# Altium PCB IPMC_TestBoard_PCB.PcbDoc (part 1 of 3) (continued)
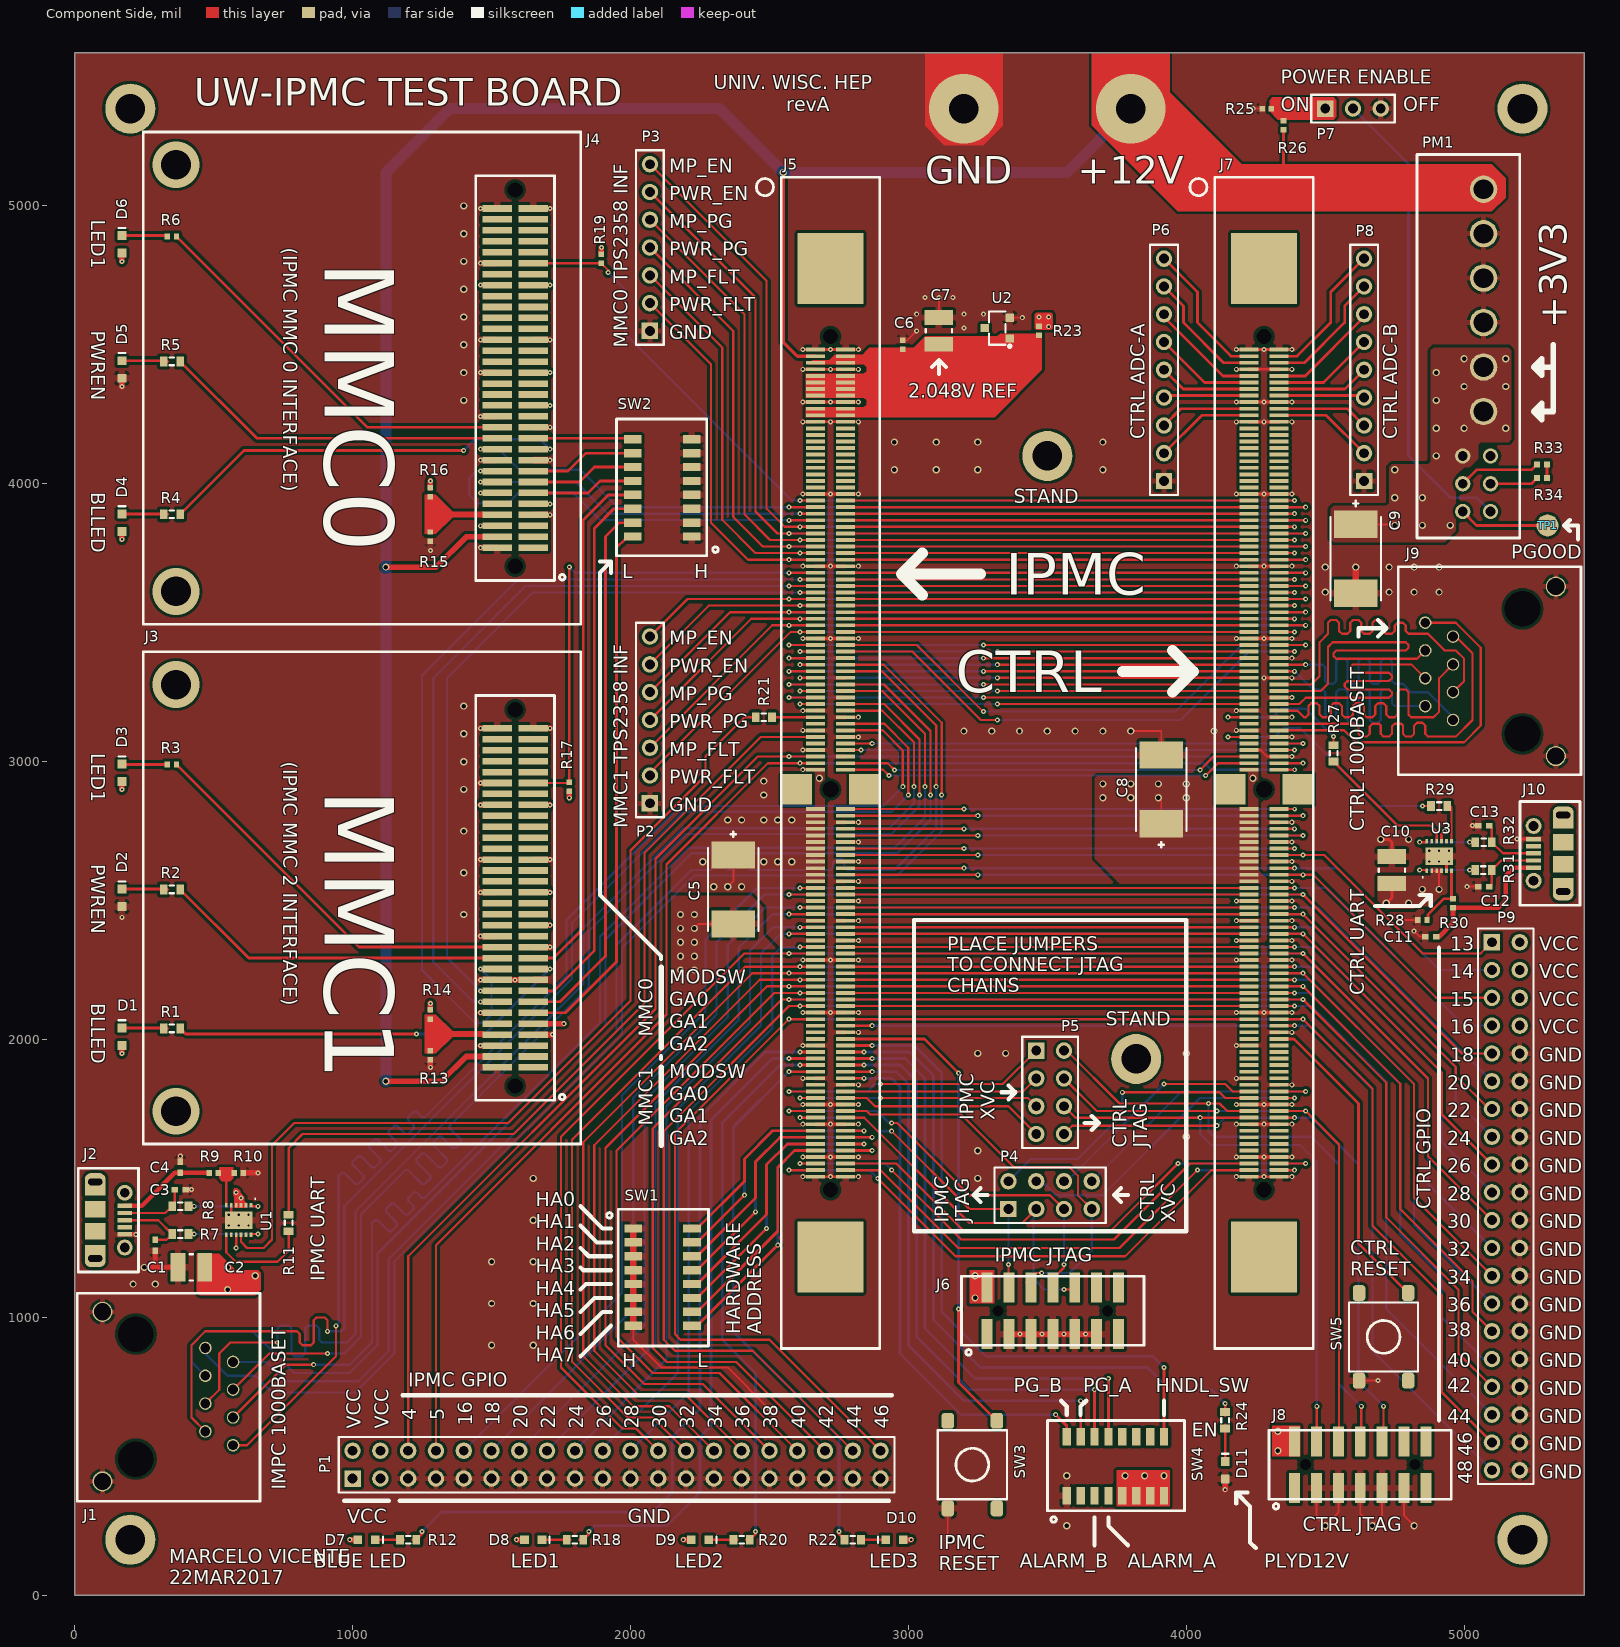
[diagram p0: Component Side view]
## Classes and differential pairs (continued)
net class MMC1: \MMC1_BLLED \MMC1_ENAIN \MMC1_LED1 \MMC1_PS1 MMC1_GA0 MMC1_GA1 MMC1_GA2 MMC1_MODSW MMC1_PWREN MMC1_SCL MMC1_SDA MMC1_SENSE3
net class MMC0: \MMC0_BLLED \MMC0_ENAIN \MMC0_LED1 \MMC0_PS1 MMC0_GA0 MMC0_GA1 MMC0_GA2 MMC0_MODSW MMC0_PWREN MMC0_SCL MMC0_SDA MMC0_SENSE3
component class MMC_Interface: D1 D2 D3 D4 D5 D6 J3 J4 R1 R2 R3 R4 R5 R6 R13 R14 R15 R16 R17 R19 SW2
component class IPMC_UnderTesting: C5 C6 C7 D7 D8 D9 D10 D11 J1 J5 J6 P1 P2 P3 P4 R12 R18 R20 R22 R23 R24 SW1 SW3 SW4 U2
component class IPMC_TestBoard: C8 P7 PM1 R25 R26 R33 R34 TP1
component class IPMC_Control: C9 J7 J8 J9 P5 P6 P8 P9 SW5
net class IPMB: IPMB-B_SCL IPMB-B_SDA
differential pair IPMC_GB_D: +IPMC_GB_D_P -IPMC_GB_D_N
differential pair IPMC_GB_C: +IPMC_GB_C_P -IPMC_GB_C_N
differential pair IPMC_GB_B: +IPMC_GB_B_P -IPMC_GB_B_N
differential pair IPMC_GB_A: +IPMC_GB_A_P -IPMC_GB_A_N
differential pair CTRL_GB_D: +CTRL_GB_D_P -CTRL_GB_D_N
differential pair CTRL_GB_C: +CTRL_GB_C_P -CTRL_GB_C_N
differential pair CTRL_GB_B: +CTRL_GB_B_P -CTRL_GB_B_N
differential pair CTRL_GB_A: +CTRL_GB_A_P -CTRL_GB_A_N

## Components (designator, comment, footprint, x,y, rotation, side; value= is the part's Value field where it differs from the comment)
C1 "?" C0402 290,1260 r90 top value=47pF
C2 "?" C1210_IPC_H 420,1180 r0 top value=100uF (schematic designator C701)
C3 "?" C0402 380,1460 r180 top value=47pF (schematic designator C2)
C4 "?" C0402 380,1540 r270 top value=47pF (schematic designator C3)
C5 "?" VISH-293D-7343-31_V 2370,2540 r270 top value=150uF
C6 "?" C0402_IPC_H 2980,4500 r270 top value=47nF
C7 "?" C1210_IPC_H 3110,4550 r270 top value=100uF
C8 "?" VISH-293D-7343-31_V 3910,2900 r90 top value=150uF
C9 "?" VISH-293D-7343-31_V 4610,3730 r270 top value=150uF
C10 "?" C1210_IPC_H 4740,2610 r270 top value=100uF (schematic designator C702)
C11 "?" C0402 4880,2370 r0 top value=47pF
C12 "?" C0402 5070,2550 r0 top value=47pF
C13 "?" C0402 5070,2770 r0 top value=47pF
D1 "BLUE" LED0603_M 170,2010 r270 top
D2 "GREEN" LED0603_M 170,2510 r270 top
D3 "OPEN" LED0603_M 170,2960 r270 top
D4 "BLUE" LED0603_M 170,3860 r270 top
D5 "GREEN" LED0603_M 170,4411.5 r270 top
D6 "OPEN" LED0603_M 170,4861.5 r270 top
D7 "BLUE" LED0603_M 1050,200 r180 top
D8 "BLUE" LED0603_M 1650,200 r180 top
D9 "BLUE" LED0603_M 2250,200 r180 top
D10 "BLUE" LED0603_M 2950,200 r0 top
D11 "GREEN" LED0603_M 4140,450 r270 top
J1 "Ethernet Jack" 43202-8916 470,890 r270 top locked
J2 "MOLEX105017-0001" MOLEX105017-0001 180,1350 r270 top locked
J3 "MMC" 5120527-1 1584.96,2568.82 r90 top locked
J4 "MMC" 5120527-1 1584.96,4439.29 r90 top locked
J5 "IPMC" 87782-3007 2720,2900 r270 top locked
J6 "IPMI JTAG" 87832-1420 3283.78,1023.86 r0 top
J7 "CTRL" 87782-3007 4280,2900 r270 top
J8 "CTRL JTAG" 87832-1420 4390,470 r0 top
J9 "CTRL ETH" 43202-8916 4960,3150 r90 top
J10 "MOLEX105017-0001" MOLEX105017-0001 5250,2670 r90 top
P1 "Header 20X2" HEADER2X20 1000,420 r0 top
P2 "MMC1 CTRL" HEADER1X7 2070,2850 r90 top
P3 "MMC0 CTRL" HEADER1X7 2070,4550 r90 top
P4 "JTAG Connect" HEADER2X4 3360,1390 r0 top
P5 "IPMC XVC to CTRL JTAG" HEADER2X4 3460,1960 r270 top
P6 "CTRL ADC-A" HEADER1X9 3920,4010 r90 top
P7 "PWREN" HEADER1X3 4500,5350 r0 top
P8 "CTRL ADC-B" HEADER1X9 4640,4010 r90 top
P9 "CTRL GPIO" HEADER2X20 5100,2350 r270 top
PM1 "UWLVPWRMODV2-PAR" UWLVPWRMODV2 4830,3805 r0 top
R1 "?" R0603 350,2040 r180 top value=681
R2 "?" R0603 350,2540 r180 top value=681
R3 "?" R0402_IPC_H 350,2990 r180 top value=OPEN
R4 "?" R0603 350,3890 r180 top value=681
R5 "?" R0603 350,4440 r180 top value=681
R6 "?" R0402_IPC_H 350,4890 r180 top value=OPEN
R7 "?" R0603 380,1300 r0 top value=27
R8 "?" R0603 380,1400 r0 top value=27
R9 "?" R0402_IPC_H 500,1520 r0 top value=4.7K
R10 "?" R0402_IPC_H 590,1520 r180 top value=10k
R11 "?" R0603 770,1340 r90 top value=100
R12 "?" R0603 1200,200 r180 top value=681
R13 "?" R0402_IPC_H 1280,1943.66 r90 top value=OPEN
R14 "?" R0402_IPC_H 1280,2090 r90 top value=OPEN
R15 "?" R0402_IPC_H 1280,3810 r90 top value=OPEN
R16 "?" R0402_IPC_H 1280,3970 r90 top value=OPEN
R17 "?" R0402_IPC_H 1780,2910 r270 top value=10k
R18 "?" R0603 1800,200 r180 top value=681
R19 "?" R0402_IPC_H 1895.27,4809.17 r90 top value=10k
R20 "?" R0603 2400,200 r180 top value=681
R21 "?" R0603 2480,3159.84 r0 top value=100
R22 "?" R0603 2800,200 r0 top value=681
R23 "?" R0402_IPC_H 3470,4550 r90 top value=332
R24 "?" R0603 4140,630 r270 top value=681
R25 "?" R0402_IPC_H 4290,5350 r0 top value=10k
R26 "?" R0402_IPC_H 4350,5290 r270 top value=10k
R27 "?" R0603 4530,3030 r90 top value=100
R28 "?" R0402_IPC_H 4850,2430 r0 top value=10k
R29 "?" R0603 4910,2840 r180 top value=100
R30 "?" R0402_IPC_H 4960,2490 r90 top value=4.7K
R31 "?" R0603 5069.53,2610 r180 top value=27
R32 "?" R0603 5070,2710 r180 top value=27
R33 "?" R0402 5280,4070 r180 top value=4.53k
R34 "?" R0402 5280,4020 r0 top value=26.1
SW1 "SW-DIP-8" TDA08H0 2221.42,1320 r270 top
SW2 "SW-DIP-8" TDA08H0 2008.58,3810 r90 top
SW3 "DTSM-61NT/R" DIPT-DTSM-6_V 3230,470 r90 top
SW4 "SW-DIP-8" TDA08H0 3570,570 r0 top
SW5 "DTSM-61NT/R" DIPT-DTSM-6_V 4710,930 r90 top
TP1 "TP" TP 5300,3850 r0 top
U1 "FT234XD-T" DFN-12_V 590,1350 r270 top
U2 "ADR5040" SOT23-H 3320,4560 r180 top
U3 "FT234XD-T" DFN-12_V 4910,2660 r90 top

## Footprints (in the part's own frame and the unit in brackets; to place one, negate y for a bottom-side part, rotate by r counter-clockwise, add the part's x,y. Pads: shape width x height; smd on the part's side, far side on the other; paste and mask are expansions set on the pad)
43202-8916 [mil] "Molex 43202-8916"
  round 45 hole 35.43: 1(0,0) 2(50,100) 3(100,0) 4(150,100) 5(200,0) 6(250,100) 7(300,0) 8(350,100)
  round 72 hole 62: 9(-130,-370) 10(480,-370)
  round 0 hole 128 unplated: ""(-50,-250) ""(400,-250)
  silkscreen extent -197,-461 551,197, body extent -148,-571 496,163, height 476
87782-3007 [mm] "Molex 87782-3009"
  rect 0.35x1.75 smd: 1(-40.2,-1.38) 2(-39.6,-1.38) 3(-39,-1.38) 4(-38.4,-1.38) 5(-37.8,-1.38) 6(-37.2,-1.38) 7(-36.6,-1.38) 8(-36,-1.38) 9(-35.4,-1.38) 10(-34.8,-1.38) 11(-34.2,-1.38) 12(-33.6,-1.38) 13(-33,-1.38) 14(-32.4,-1.38) 15(-31.8,-1.38) 16(-31.2,-1.38) 17(-30.6,-1.38) 18(-30,-1.38) 19(-29.4,-1.38) 20(-28.8,-1.38) 21(-28.2,-1.38) 22(-27.6,-1.38) 23(-27,-1.38) 24(-26.4,-1.38) 25(-25.8,-1.38) 26(-25.2,-1.38) 27(-24.6,-1.38) 28(-24,-1.38) 29(-23.4,-1.38) 30(-22.8,-1.38) 31(-22.2,-1.38) 32(-21.6,-1.38) 33(-21,-1.38) 34(-20.4,-1.38) 35(-19.8,-1.38) 36(-19.2,-1.38) 37(-18.6,-1.38) 38(-18,-1.38) 39(-17.4,-1.38) 40(-16.8,-1.38) 41(-16.2,-1.38) 42(-15.6,-1.38) 43(-15,-1.38) 44(-14.4,-1.38) 45(-13.8,-1.38) 46(-13.2,-1.38) 47(-12.6,-1.38) 48(-12,-1.38) 49(-11.4,-1.38) 50(-10.8,-1.38) 51(-10.2,-1.38) 52(-9.6,-1.38) 53(-9,-1.38) 54(-8.4,-1.38) 55(-7.8,-1.38) 56(-7.2,-1.38) 57(-6.6,-1.38) 58(-6,-1.38) 59(-5.4,-1.38) 60(-4.8,-1.38) 61(-4.2,-1.38) 62(-3.6,-1.38) 63(-3,-1.38) 64(-2.4,-1.38) 65(-1.8,-1.38) 66(1.8,-1.38) 67(2.4,-1.38) 68(3,-1.38) 69(3.6,-1.38) 70(4.2,-1.38) 71(4.8,-1.38) 72(5.4,-1.38) 73(6,-1.38) 74(6.6,-1.38) 75(7.2,-1.38) 76(7.8,-1.38) 77(8.4,-1.38) 78(9,-1.38) 79(9.6,-1.38) 80(10.2,-1.38) 81(10.8,-1.38) 82(11.4,-1.38) 83(12,-1.38) 84(12.6,-1.38) 85(13.2,-1.38) 86(13.8,-1.38) 87(14.4,-1.38) 88(15,-1.38) 89(15.6,-1.38) 90(16.2,-1.38) 91(16.8,-1.38) 92(17.4,-1.38) 93(18,-1.38) 94(18.6,-1.38) 95(19.2,-1.38) 96(19.8,-1.38) 97(20.4,-1.38) 98(21,-1.38) 99(21.6,-1.38) 100(22.2,-1.38) 101(22.8,-1.38) 102(23.4,-1.38) 103(24,-1.38) 104(24.6,-1.38) 105(25.2,-1.38) 106(25.8,-1.38) 107(26.4,-1.38) 108(27,-1.38) 109(27.6,-1.38) 110(28.2,-1.38) 111(28.8,-1.38) 112(29.4,-1.38) 113(30,-1.38) 114(30.6,-1.38) 115(31.2,-1.38) 116(31.8,-1.38) 117(32.4,-1.38) 118(33,-1.38) 119(33.6,-1.38) 120(34.2,-1.38) 121(34.8,-1.38) 122(35.4,-1.38) 123(-40.2,1.38) 124(-39.6,1.38) 125(-39,1.38) 126(-38.4,1.38) 127(-37.8,1.38) 128(-37.2,1.38) 129(-36.6,1.38) 130(-36,1.38) 131(-35.4,1.38) 132(-34.8,1.38) 133(-34.2,1.38) 134(-33.6,1.38) 135(-33,1.38) 136(-32.4,1.38) 137(-31.8,1.38) 138(-31.2,1.38) 139(-30.6,1.38) 140(-30,1.38) 141(-29.4,1.38) 142(-28.8,1.38) 143(-28.2,1.38) 144(-27.6,1.38) 145(-27,1.38) 146(-26.4,1.38) 147(-25.8,1.38) 148(-25.2,1.38) 149(-24.6,1.38) 150(-24,1.38) 151(-23.4,1.38) 152(-22.8,1.38) 153(-22.2,1.38) 154(-21.6,1.38) 155(-21,1.38) 156(-20.4,1.38) 157(-19.8,1.38) 158(-19.2,1.38) 159(-18.6,1.38) 160(-18,1.38) 161(-17.4,1.38) 162(-16.8,1.38) 163(-16.2,1.38) 164(-15.6,1.38) 165(-15,1.38) 166(-14.4,1.38) 167(-13.8,1.38) 168(-13.2,1.38) 169(-12.6,1.38) 170(-12,1.38) 171(-11.4,1.38) 172(-10.8,1.38) 173(-10.2,1.38) 174(-9.6,1.38) 175(-9,1.38) 176(-8.4,1.38) 177(-7.8,1.38) 178(-7.2,1.38) 179(-6.6,1.38) 180(-6,1.38) 181(-5.4,1.38) 182(-4.8,1.38) 183(-4.2,1.38) 184(-3.6,1.38) 185(-3,1.38) 186(-2.4,1.38) 187(-1.8,1.38) 188(1.8,1.38) 189(2.4,1.38) 190(3,1.38) 191(3.6,1.38) 192(4.2,1.38) 193(4.8,1.38) 194(5.4,1.38) 195(6,1.38) 196(6.6,1.38) 197(7.2,1.38) 198(7.8,1.38) 199(8.4,1.38) 200(9,1.38) 201(9.6,1.38) 202(10.2,1.38) 203(10.8,1.38) 204(11.4,1.38) 205(12,1.38) 206(12.6,1.38) 207(13.2,1.38) 208(13.8,1.38) 209(14.4,1.38) 210(15,1.38) 211(15.6,1.38) 212(16.2,1.38) 213(16.8,1.38) 214(17.4,1.38) 215(18,1.38) 216(18.6,1.38) 217(19.2,1.38) 218(19.8,1.38) 219(20.4,1.38) 220(21,1.38) 221(21.6,1.38) 222(22.2,1.38) 223(22.8,1.38) 224(23.4,1.38) 225(24,1.38) 226(24.6,1.38) 227(25.2,1.38) 228(25.8,1.38) 229(26.4,1.38) 230(27,1.38) 231(27.6,1.38) 232(28.2,1.38) 233(28.8,1.38) 234(29.4,1.38) 235(30,1.38) 236(30.6,1.38) 237(31.2,1.38) 238(31.8,1.38) 239(32.4,1.38) 240(33,1.38) 241(33.6,1.38) 242(34.2,1.38) 243(34.8,1.38) 244(35.4,1.38)
  rect 6.5x6 smd: ""(-47.6,0) ""(42.75,0)
  round 1 hole 1.4 unplated: ""(-41.4,0) ""(36.6,0)
  rect 2.8x2.77 smd: ""(0,3.08) ""(0,-3.08)
  round 1 hole 1.5 unplated: ""(0,0)
  silkscreen extent -55.95,-6.78 51.1,4.5, body extent -50.4,-3.9 45.6,4, height 16.54
87832-1420 [mm] "Molex 87832-1420"
  rect 1x2.75 smd: 1(0,-2.13) 2(0,2.13) 3(2,-2.13) 4(2,2.13) 5(4,-2.13) 6(4,2.13) 7(6,-2.13) 8(6,2.13) 9(8,-2.13) 10(8,2.13) 11(10,-2.13) 12(10,2.13) 13(12,-2.13) 14(12,2.13)
  round 0 hole 1 unplated: ""(1,0) ""(11,0)
  silkscreen extent -2.35,-4.05 14.33,3.15, body extent -2.32,-3.15 14.33,3.15, height 7.6
5120527-1 [mm] "TE 5120527-1"
  rect 0.6x2.7 smd: 1(-17,-1.65) 2(-17,1.65) 3(-16,-1.65) 4(-16,1.65) 5(-15,-1.65) 6(-15,1.65) 7(-14,-1.65) 8(-14,1.65) 9(-13,-1.65) 10(-13,1.65) 11(-12,-1.65) 12(-12,1.65) 13(-11,-1.65) 14(-11,1.65) 15(-10,-1.65) 16(-10,1.65) 17(-9,-1.65) 18(-9,1.65) 19(-8,-1.65) 20(-8,1.65) 21(-7,-1.65) 22(-7,1.65) 23(-6,-1.65) 24(-6,1.65) 25(-5,-1.65) 26(-5,1.65) 27(-4,-1.65) 28(-4,1.65) 29(-3,-1.65) 30(-3,1.65) 31(-2,-1.65) 32(-2,1.65) 33(-1,-1.65) 34(-1,1.65) 35(0,-1.65) 36(0,1.65) 37(1,-1.65) 38(1,1.65) 39(2,-1.65) 40(2,1.65) 41(3,-1.65) 42(3,1.65) 43(4,-1.65) 44(4,1.65) 45(5,-1.65) 46(5,1.65) 47(6,-1.65) 48(6,1.65) 49(7,-1.65) 50(7,1.65) 51(8,-1.65) 52(8,1.65) 53(9,-1.65) 54(9,1.65) 55(10,-1.65) 56(10,1.65) 57(11,-1.65) 58(11,1.65) 59(12,-1.65) 60(12,1.65) 61(13,-1.65) 62(13,1.65) 63(14,-1.65) 64(14,1.65)
  rect 0x0 hole 1.4 unplated: ""(-18.7,0) ""(15.7,0)
  silkscreen extent -24,-6 21,34, body extent -19.45,-3.02 16.45,3.03, height 8.4
C0402 [mm] "Chip Capacitor, Body 1.0x0.5mm, IPC High Density"
  rect 0.6x0.5 smd: 1(-0.5,0) 2(0.5,0)
  body extent -0.55,-0.3 0.55,0.3, height 1.3
C0402_IPC_H [mm] "Chip Capacitor, 2-Leads, Body 1.00x0.50mm, IPC High Density"
  rect 0.5x0.52 smd: 1(-0.415,0) 2(0.415,0)
  body extent -0.53,-0.28 0.53,0.28, height 0.55
C1210_IPC_H [mm] "Chip Capacitor, 2-Leads, Body 3.20x2.50mm, IPC High Density"
  rect 1.35x2.6 smd: 1(-1.225,0) 2(1.225,0)
  silkscreen extent -0.15,-1.2 0.15,1.2, body extent -1.75,-1.35 1.75,1.35, height 2.7
DFN-12_V [mm] "SON, 12-Leads, Body 3x3mm, Pitch 0.45mm, Thermal Pad 2.5x1.6mm"
  rect 0.4x0.25 smd: 1(-1.35,1.125) 2(-1.35,0.675) 3(-1.35,0.225) 4(-1.35,-0.225) 5(-1.35,-0.675) 6(-1.35,-1.125) 7(1.35,-1.125) 8(1.35,-0.675) 9(1.35,-0.225) 10(1.35,0.225) 11(1.35,0.675) 12(1.35,1.125)
  rect 1.6x2.5 smd mask+0.102: 13(0,0)
  silkscreen extent -2,1.45 -1.9,1.55, body extent -1.5,-1.5 1.5,1.5, height 0.9
DIPT-DTSM-6_V [mil] "Switch, Through-Hole, 4 Leads, Body 8.5x8.5mm, Row Spacing 9.0mm, Pitch 4.5mm"
  rrect50% 57x45 smd: 1(157.87,-88.58) 2(-157.48,-88.58) 3(157.87,88.19) 4(-157.48,88.19)
  silkscreen extent -124,-124 124,124, body extent -177,-122 177,122, height 177
HEADER1X3 [mm] "Pin Header; 3 Position"
  rect 1.5x1.5 hole 0.9: 1(0,0)
  round 1.5 hole 0.9: 2(2.54,0) 3(5.08,0)
  silkscreen extent -1.27,-1.27 6.35,1.27
HEADER1X7 [mm] "Pin Header; 7 Position"
  rect 1.5x1.5 hole 0.9: 1(0,0)
  round 1.5 hole 0.9: 2(2.54,0) 3(5.08,0) 4(7.62,0) 5(10.16,0) 6(12.7,0) 7(15.24,0)
  silkscreen extent -1.27,-1.27 16.51,1.27
HEADER1X9 [mm] "Pin Header; 9 Position"
  rect 1.5x1.5 hole 0.9: 1(0,0)
  round 1.5 hole 0.9: 2(2.54,0) 3(5.08,0) 4(7.62,0) 5(10.16,0) 6(12.7,0) 7(15.24,0) 8(17.78,0) 9(20.32,0)
  silkscreen extent -1.27,-1.27 21.59,1.27
HEADER2X4 [mm] "Pin Header; 4x2 Position"
  rect 1.5x1.5 hole 0.9: 1(0,0)
  round 1.5 hole 0.9: 2(0,2.54) 3(2.54,0) 4(2.54,2.54) 5(5.08,0) 6(5.08,2.54) 7(7.62,0) 8(7.62,2.54)
  silkscreen extent -1.27,-1.27 8.89,3.81
HEADER2X20 [mm] "Pin Header; 20x2 Position"
  rect 1.5x1.5 hole 0.9: 1(0,0)
  round 1.5 hole 0.9: 2(0,2.54) 3(2.54,0) 4(2.54,2.54) 5(5.08,0) 6(5.08,2.54) 7(7.62,0) 8(7.62,2.54) 9(10.16,0) 10(10.16,2.54) 11(12.7,0) 12(12.7,2.54) 13(15.24,0) 14(15.24,2.54) 15(17.78,0) 16(17.78,2.54) 17(20.32,0) 18(20.32,2.54) 19(22.86,0) 20(22.86,2.54) 21(25.4,0) 22(25.4,2.54) 23(27.94,0) 24(27.94,2.54) 25(30.48,0) 26(30.48,2.54) 27(33.02,0) 28(33.02,2.54) 29(35.56,0) 30(35.56,2.54) 31(38.1,0) 32(38.1,2.54) 33(40.64,0) 34(40.64,2.54) 35(43.18,0) 36(43.18,2.54) 37(45.72,0) 38(45.72,2.54) 39(48.26,0) 40(48.26,2.54)
  silkscreen extent -1.27,-1.27 49.53,3.81
LED0603_M [mm] "Chip LED, 2-Leads, Body 1.6x0.8mm, IPC Medium Density"
  rect 0.8x0.8 smd: 1(-0.8,0) 2(0.8,0)
  silkscreen extent -1.5,-0.3 -1.5,0.3, body extent -0.8,-0.4 0.8,0.4, height 0.7
MOLEX105017-0001 [mm] "Connector; Micro USB Bottom Mount Receptable, B Type"
  rect 0.4x1.35 smd: 1(-1.3,0) 2(-0.65,0) 3(0,0) 4(0.65,0) 5(1.3,0)
  rrect70% 1.6x1.9 hole 0.6 slot 1.3 at 90 deg: ""(-3.5,-2.7) ""(3.5,-2.7)
  rect 1.2x1.9 smd: ""(-2.85,-2.7) ""(2.85,-2.7)
  round 1.45 hole 0.9: ""(-2.5,0) ""(2.5,0)
  rect 1.5x1.9 smd: ""(-1,-2.7) ""(1,-2.7)
  silkscreen extent -4.75,-4.25 4.75,1.25, body extent -4.1,-5.3 4.1,0.1, height 2.73
R0402 [mm] "Chip Resistor, 2-Leads, Body 1.00x0.50mm, IPC Medium Density"
  rect 0.55x0.55 smd: 1(-0.45,0) 2(0.45,0)
  body extent -0.53,-0.27 0.53,0.28, height 0.35
R0402_IPC_H [mm] "Chip Resistor, 2-Leads, Body 1.00x0.50mm, IPC High Density"
  rect 0.5x0.52 smd: 1(-0.415,0) 2(0.415,0)
  body extent -0.53,-0.28 0.53,0.28, height 0.4
R0603 [mm] "Chip Resistor, Body 1.6x0.8mm, IPC High Density"
  rect 0.7x0.9 smd: 1(-0.75,0) 2(0.75,0)
  silkscreen extent -0.2,-0.35 0.2,0.35, body extent -0.85,-0.48 0.85,0.48, height 0.9
SOT23-H [mm] "SOT23, 3-Leads, Body 2.90x2.45mm, Pitch 0.95mm, IPC High Density"
  rect 0.75x0.75 smd: 1(-1.145,0.95) 2(-1.145,-0.95) 3(1.145,0)
  silkscreen extent -1.27,-1.52 0.76,1.78, body extent -0.7,-1.5 0.7,1.5, height 1.1
TDA08H0 [mm] "C&K TDA08H0"
  rect 0.76x1.6 smd: 1(0,-5.37) 2(1.27,-5.37) 3(2.54,-5.37) 4(3.81,-5.37) 5(5.08,-5.37) 6(6.35,-5.37) 7(7.62,-5.37) 8(8.89,-5.37) 9(8.89,0) 10(7.62,0) 11(6.35,0) 12(5.08,0) 13(3.81,0) 14(2.54,0) 15(1.27,0) 16(0,0)
  silkscreen extent -1.75,-7.8 10.75,1.5, body extent -1.15,-5.9 10.15,0.45, height 2.45
TP [mm] "Test Point"
  round 2 smd paste-10: 1(0,0)
UWLVPWRMODV2 [mm] "UW Low-voltage Power Module V2"
  round 1.4 hole 0.9: 1(4.191,2.413) 2(6.731,2.413) 3(4.191,4.953) 4(6.731,4.953) 5(4.191,7.493) 6(6.731,7.493)
  round 2.5 hole 1.8: 7(6.096,11.557) 8(6.096,15.621) 9(6.096,19.685) 10(6.096,23.749) 11(6.096,27.813) 12(6.096,31.877)
  silkscreen extent 0,0 9.4,35.05, body extent 1,1 7.8,34, height 17
VISH-293D-7343-31_V [mm] "Molded Capacitor, 2-Leads, Body 7.6x4.6mm"
  rect 2.5x4 smd: 1(-3.15,0) 2(3.15,0)
  silkscreen extent -5.3,-2.3 3.8,2.3, body extent -4.02,-2.3 4.02,2.3, height 3.1

## Part data
C1 C3 C4 C11 C12 C13: library part "Cap Semi", "Capacitor (Semiconductor SIM Model)", Mfg. Part No.=CC0402JRNPO9BN470, Rating=50V, INVKEY=CP0402-47PF-50V-5%, Mfgr=Yageo
C2 C7 C10: library part Cap, "Capacitor", Mfg. Part No.=GRM32ER60J107ME20L, Rating=6.3V, INVKEY=CP1210-100UF-6.3V-20%, Mfgr=Murata
C5 C8 C9: library part "Cap Pol3", "Polarized Capacitor (Surface Mount)", Mfg. Part No.=A700X157M006ATE015, Rating=6.3V, INVKEY=CP7343-150uF-6.3V-ESR15-20%, Mfgr=Kemet
C6: library part Cap, "Capacitor", Mfg. Part No.=ECJ-0EB1A473K, Rating=10V, INVKEY=CP0402-47NF-10V-10%, Mfgr=Panasonic-ECJ
D1 D4 D7 D8 D9 D10: library part LED, "Light Emitting Diode", Mfg. Part No.=LTST-S270TBKT, INVKEY=LED-BL-RA-0603, Mfgr=Lite-On
D2 D5 D11: library part LED, "Light Emitting Diode", Mfg. Part No.=LTST-S270KGKT, INVKEY=LED-GRN-RA-UB-0603, Mfgr=Lite-On
D3 D6: library part LED, "Light Emitting Diode", Mfg. Part No.=NA, INVKEY=?, Mfgr=NA, Note="Do not assemble"
J1: "RJ45 Ethernet Jack", Mfg. Part No.=43202-8916, INVKEY=CO-43202-8916, Mfgr=Molex
J2 J10: "Micro USB Bottom Mount Receptable, B Type", Mfg. Part No.=105017-0001, INVKEY=CO-USB-MICRO-SOLDERTAIL, Mfgr=Molex
J3 J4: "TE 5120527-1", Mfg. Part No.=5120527-1, INVKEY=CO-PMC64-120527-1, Mfgr="TE Connectivity"
J5: "Molex 87782-3007", Mfg. Part No.=87782-3007, INVKEY=?, Mfgr=Molex, Note="Compatible with Molex 87782-3003, 87782-3005, 87782-3007 and 87782-3009"
J6 J8: library part "Xilinx JTAG Header", "Molex 87832-1420", Mfg. Part No.=87832-1420, INVKEY=CO-PIN-HDR-2X7SS-2MM, Mfgr=Molex
J7: library part IPMC, "Molex 87782-3007", Mfg. Part No.=87782-3007, INVKEY=?, Mfgr=Molex, Note="Compatible with Molex 87782-3003, 87782-3005, 87782-3007 and 87782-3009"
J9: library part "Ethernet Jack", "RJ45 Ethernet Jack", Mfg. Part No.=43202-8916, INVKEY=CO-43202-8916, Mfgr=Molex
P1: "Header, 20-Pin, Dual row", Mfg. Part No.=?, INVKEY=?, Mfgr=?, Note="Do not assemble"
P2 P3: library part "Header 7", "Header, 7-Pin", Mfg. Part No.=?, INVKEY=?, Mfgr=?, Note="Do not assemble"
P4 P5: library part "Header 4X2", "Header, 4-Pin, Dual row", Mfg. Part No.=?, INVKEY=?, Mfgr=?
P6 P8: library part "Header 9", "Header, 9-Pin", Mfg. Part No.=?, INVKEY=?, Mfgr=?, Note="Do not assemble"
P7: library part "Header 3", "Header, 3-Pin", Mfg. Part No.=?, INVKEY=?, Mfgr=?
P9: library part "Header 20X2", "Header, 20-Pin, Dual row", Mfg. Part No.=?, INVKEY=?, Mfgr=?, Note="Do not assemble"
PM1: "UW Low-voltage Power Module V2", Mfg. Part No.=UWLVPWRMODV2, INVKEY=?, Mfgr="University of Wisconsin", Note="Refurbish from oRSCs"
R1 R2 R4 R5 R12 R18 R20 R22 R24: library part Res, "Resistor", Mfg. Part No.=RC0603FR-07681RL, Tolerance=1%, INVKEY=RS0603-681R-1/10W-1%, Mfgr=Yageo
R3 R6 R13 R14 R15 R16: library part Res, "Resistor", Mfg. Part No.=NA, Tolerance=1%, INVKEY=RS0402-OPEN-1/10W, Mfgr=NA, Note="Do not assemble"
R7 R8 R31 R32: library part Res3, "Resistor", INVKEY=?, Mfg. Part No.=?, Mfgr=?
R9 R30: library part Res, "Resistor", Mfg. Part No.=ERJ-2GEJ472X, Tolerance=5%, INVKEY=RS0402-4K7-1/10W-5%, Mfgr=Panasonic-ECG
R10 R17 R19 R25 R26 R28: library part Res, "Resistor", Mfg. Part No.=ERJ-2GEJ103X, Tolerance=5%, INVKEY=RS0402-10K-1/10W-5%, Mfgr=Panasonic-ECG
R11 R21 R27 R29: library part Res3, "Resistor", Mfg. Part No.=RC0603FR-07100RL, INVKEY=RS0603-100R-1/10W-1%, Mfgr=Yageo
R23: library part Res, "Resistor", Tolerance=1%, INVKEY=?, Mfg. Part No.=?, Mfgr=?
R33: library part Res, "Resistor", Mfg. Part No.=ERA-2AEB4531X, Tolerance=0.1%, INVKEY=RS0402-4K53-1/16W-PREC, Mfgr=Panasonic-ECG
R34: library part Res, "Resistor", Mfg. Part No.=ERJ-2RKF26R1X, Tolerance=1%, INVKEY=RS0402-26R1-1/10W-1%, Mfgr=Panasonic-ECG
SW1 SW2 SW4: "C&K TDA08H0SB1R", Mfg. Part No.=TDA08HOSB1, INVKEY=SW-DIP-8X-SMD, Mfgr=C&K
SW3 SW5: library part CMP-0306-00001-1, "Switch, SPNO Push Button SMD", Mfg. Part No.=?, INVKEY=?, Mfgr=?
TP1: "Test Point", Mfg. Part No.=NA, INVKEY=NA, Mfgr=NA, Note="Not a part"
U1 U3: library part CMP-0248-00028-1, "FT234XD USB to BASIC UART IC, -40 to +85 degC, 12-Pin DFN, Pb-Free, Tray", Mfg. Part No.=?, INVKEY=?, Mfgr=?
U2: "Precision Micropower Shunt Mode", Mfg. Part No.=ADR5040ARTZ, INVKEY=VREF-ADR5040A-SOT23, Mfgr="Analog Devices"

## Free pads (board coordinates)
  round 180 hole 106.3: ""(200,200) ""(200,5350) ""(3500,4100) ""(3820,1930) ""(5210,200) ""(5210,5350)

## Via types
v1: diameter 18, hole 8, Component Side to Solder Side, tented both sides, 426 vias
v2: diameter 26, hole 16, Component Side to Solder Side, tented both sides, 132 vias
v3: diameter 18, hole 8, Component Side to Solder Side, 12 vias
v4: diameter 168, hole 106.3, Component Side to Solder Side, 4 vias
v5: diameter 17, hole 8, Component Side to Solder Side, tented both sides, 4 vias
v6: diameter 250, hole 106.3, Component Side to Solder Side, 2 vias

## Nets (pads, with @x,y where several pads share a name; then routed paths per layer and width w, separated by ;. In a path a pad name is that pad's centre, name@x,y a point inside that pad or via, vN(x,y) a via of type N, cw(c..) or ccw(c..) an arc to the next point about the centre after c; other vN are vias at no path point)
+12V: J3.4 J4.4 J5.2 PM1.12 R26.2 | length 8017.3
  Component Side w10: 4333.66,5126.34 4340,5120 ; 4350,5130 R26.2@4350,5273.66
  Component Side w12: v2(2550,5120) 2550,4510 2600.94,4459.06 J5.2@2665.67,4459.06
  Component Side w20: v2(1120,1850) 1320,1850 1408.9,1938.9 J3.4@1520,1938.9 ; v2(1120,3700) 1300,3700 1409.37,3809.37 J4.4@1520,3809.37
  Solder Side w40: v2(1120,1850) v2(1120,3700) 1120,5120 1350,5350 2320,5350 v2(2550,5120) 3570,5120 v6(3800,5350)
\CTRL_EXT_RST: J7.223 SW5.1 | length 1138
  Component Side w10: J7.223@4334.33,2002.36 4387.64,2002.36 4620,1770 4620,1266.46 SW5.1@4798.58,1087.87
\ENABLE_1: J5.147 J7.25 | length 1451.3
  Component Side w8: J5.147@2774.33,3915.75 J7.25@4225.67,3915.75
\ENABLE_3: J5.158 J7.36 | length 1451.3
  Component Side w8: J5.158@2774.33,3655.91 J7.36@4225.67,3655.91
\ENABLE_4: J5.47 J7.47 | length 1671.3
  Component Side w8: v1(2610,3396.06) J5.47@2665.67,3396.06 ; v1(3320,3396.06) J7.47@4225.67,3396.06
  Solder Side w8: v1(2610,3396.06) v1(3320,3396.06)
\IPMC_EXT_RST: J5.223 SW3.1 | length 1765.9
  Component Side w10: J5.223@2774.33,2002.36 3057.64,2002.36 v1(3180,1880) ; v1(3180,1030) 3180,766.46 SW3.1@3318.58,627.87
  Solder Side w10: v1(3180,1030) v1(3180,1880)
\MMC0_BLLED: J4.19 R4.1 | length 1457.1
  Component Side w10: R4.1@379.53,3890 609.53,4120 v1(1400,4120)
  Solder Side w10: v1(1400,4120) 1440,4160 1674.33,4160 v1(1710,4124.33)
\MMC0_ENAIN: J4.20 J5.25 J7.147 | length 3247.7
  Component Side w8: v1(2570,3915.75) J5.25@2665.67,3915.75 ; J7.147@4334.33,3915.75 v1(4430,3915.75)
  Solder Side w8: v1(1460,4124.33) 1525.67,4124.33 1600,4050 1820,4050 1954.25,3915.75 v1(2570,3915.75) v1(4430,3915.75)
\MMC0_LED1: J4.24 R6.1 | length 1438.2
  Component Side w10: R6.1@366.34,4890 1053.27,4203.07 J4.24@1520,4203.07
\MMC0_PS1: J4.53 J5.24 J7.146 R19.1 | length 3303.4
  Component Side w8: J4.53@1649.92,4793.62 R19.1@1895.27,4793.62 ; R19.1@1895.27,4792.84 1920,4768.11 v1(1920,4760) ; v1(2610,3939.37) J5.24@2665.67,3939.37 ; J7.146@4334.33,3939.37 v1(4390,3939.37)
  Solder Side w8: v1(1920,4760) 1980,4700 1980,4540 2580.63,3939.37 v1(2610,3939.37) v1(4390,3939.37)
\MMC1_BLLED: J3.19 R1.1 | length 1435.6
  Component Side w10: R1.1@379.53,2040 399.53,2020 v1(1230,2020)
  Solder Side w10: v1(1230,2020) 1476.14,2020 v1(1710,2253.86)
\MMC1_ENAIN: J3.20 J5.36 J7.158 | length 4976.2
  Component Side w8: v1(2610,3655.91) J5.36@2665.67,3655.91 ; J7.158@4334.33,3655.91 v1(4390,3655.91)
  Solder Side w8: v1(1460,2253.86) 1500,2213.86 1500,2090 1470,2060 1440,2060 1250,2250 1250,3310 1595.91,3655.91 v1(2610,3655.91) v1(4390,3655.91)
\MMC1_LED1: J3.24 R3.1 | length 1426
  Component Side w10: R3.1@366.34,2990 1023.74,2332.6 J3.24@1520,2332.6
\MMC1_PS1: J3.53 J5.35 J7.157 R17.1 | length 3753.6
  Component Side w8: J3.53@1649.92,2923.15 R17.1@1780,2923.15 ; R17.1@1780,2926.34 v1(1780,3700) ; v1(2570,3679.53) J5.35@2665.67,3679.53 ; J7.157@4334.33,3679.53 v1(4430,3679.53)
  Solder Side w8: v1(1780,3700) 1800.47,3679.53 v1(2570,3679.53) v1(4430,3679.53)
\PS1_1: J5.146 J7.24 | length 1451.3
  Component Side w8: J5.146@2774.33,3939.37 J7.24@4225.67,3939.37
\PS1_3: J5.157 J7.35 | length 1451.3
  Component Side w8: J5.157@2774.33,3679.53 J7.35@4225.67,3679.53
\PS1_4: J5.46 J7.46 | length 1751.3
  Component Side w8: v1(2570,3419.69) J5.46@2665.67,3419.69 ; v1(3270,3419.69) J7.46@4225.67,3419.69
  Solder Side w8: v1(2570,3419.69) v1(3270,3419.69)
CTRL_ADC-A_1: J7.2 P6.9 | length 515.5
  Component Side w10: P6.9@3920,4810 4040,4690 4040,4580 4160.94,4459.06 J7.2@4225.67,4459.06
CTRL_ADC-A_2: J7.3 P6.8 | length 454.5
  Component Side w10: P6.8@3920,4710 3990,4640 3990,4580 4134.57,4435.43 J7.3@4225.67,4435.43
CTRL_ADC-A_3: J7.5 P6.7 | length 403.4
  Component Side w10: P6.7@3920,4610 3920,4600 4131.81,4388.19 J7.5@4225.67,4388.19
CTRL_ADC-A_4: J7.6 P6.6 | length 365.9
  Component Side w10: P6.6@3920,4510 4065.43,4364.57 J7.6@4225.67,4364.57
CTRL_ADC-A_5: J7.7 P6.5 | length 334.3
  Component Side w10: P6.5@3920,4410 3989.06,4340.94 J7.7@4225.67,4340.94
CTRL_ADC-A_6: J7.8 P6.4 | length 308.7
  Component Side w10: P6.4@3920,4310 3927.32,4317.32 J7.8@4225.67,4317.32
CTRL_ADC-A_7: J7.10 P6.3 | length 330.6
  Component Side w10: P6.3@3920,4210 3980.08,4270.08 J7.10@4225.67,4270.08
CTRL_ADC-A_8: J7.11 P6.2 | length 362.2
  Component Side w10: P6.2@3920,4110 4056.46,4246.46 J7.11@4225.67,4246.46
CTRL_ADC-B_1: J7.124 P8.9 | length 515.5
  Component Side w10: J7.124@4334.33,4459.06 4399.06,4459.06 4520,4580 4520,4690 P8.9@4640,4810
CTRL_ADC-B_2: J7.125 P8.8 | length 454.5
  Component Side w10: J7.125@4334.33,4435.43 4425.43,4435.43 4570,4580 4570,4640 P8.8@4640,4710
CTRL_ADC-B_3: J7.127 P8.7 | length 403.4
  Component Side w10: J7.127@4334.33,4388.19 4428.19,4388.19 4640,4600 P8.7@4640,4610
CTRL_ADC-B_4: J7.128 P8.6 | length 365.9
  Component Side w10: J7.128@4334.33,4364.57 4494.57,4364.57 P8.6@4640,4510
CTRL_ADC-B_5: J7.129 P8.5 | length 334.3
  Component Side w10: J7.129@4334.33,4340.94 4570.94,4340.94 P8.5@4640,4410
CTRL_ADC-B_6: J7.130 P8.4 | length 308.7
  Component Side w10: J7.130@4334.33,4317.32 4632.68,4317.32 P8.4@4640,4310
CTRL_ADC-B_7: J7.132 P8.3 | length 330.6
  Component Side w10: J7.132@4334.33,4270.08 4579.92,4270.08 P8.3@4640,4210
CTRL_ADC-B_8: J7.133 P8.2 | length 362.2
  Component Side w10: J7.133@4334.33,4246.46 4503.54,4246.46 P8.2@4640,4110
CTRL_GB_A_N: J7.172 J9.2 | length 1190.7
  Component Side w8: J7.172@4334.33,3325.2 v1(4390,3325.2)
  Solder Side w8: v1(4390,3325.2) 4455.2,3260 4490,3260 4500,3250 4500,3170 4510,3160 4530,3160 4540,3170 4540,3250 4550,3260 4570,3260 4580,3250 4580,3150 4590,3140 4610,3140 4620,3150 4620,3250 4630,3260 4650,3260 4660,3250 4660,3150 4670,3140 4690,3140 4700,3150 4700,3250 4710,3260 4730,3260 4740,3250 4740,3210 4750,3200 J9.2@4840,3200
CTRL_GB_A_P: J7.171 J9.1 | length 1212.9
  Component Side w8: J7.171@4334.33,3348.82 v1(4430,3348.82)
  Solder Side w8: v1(4430,3348.82) 4491.18,3348.82 4500,3340 4500,3290 4510,3280 4530,3280 4540,3290 4540,3360 4550,3370 4570,3370 4580,3360 4580,3290 4590,3280 4610,3280 4620,3290 4620,3360 4630,3370 4650,3370 4660,3360 4660,3290 4670,3280 4690,3280 4700,3290 4700,3360 4710,3370 4730,3370 4740,3360 4740,3290 4750,3280 4780,3280 4810,3250 4870,3250 4960,3160 J9.1@4960,3150
CTRL_GB_B_N: J7.175 J9.6 | length 1265.1
  Component Side w8: J7.175@4334.33,3254.33 4484.33,3254.33 4510,3280 4510,3412.52 4527.48,3430 4790,3430 4800,3420 4800,3410 4790,3400 4540,3400 4530,3390 4530,3380 4540,3370 4830,3370 J9.6@4860,3400
CTRL_GB_B_P: J7.174 J9.3 | length 1298.5
  Component Side w8: J7.174@4334.33,3277.95 4450,3277.95 4480,3307.95 4480,3430 4510,3460 4510,3500 4520,3510 4540,3510 4550,3500 4550,3470 4560,3460 4580,3460 4590,3470 4590,3500 4600,3510 4620,3510 4630,3500 4630,3470 4640,3460 4660,3460 4670,3470 4670,3500 4680,3510 4700,3510 4710,3500 4710,3470 4720,3460 4740,3460 4750,3470 4750,3490 4760,3500 4780,3500 4790,3490 4790,3470 4800,3460 4870,3460 4930,3400 4970,3400 5000,3370 5000,3290 J9.3@4960,3250 J9.3@4940,3250
CTRL_GB_C_N: J7.178 J9.5 | length 1267.2
  Component Side w8: J7.178@4334.33,3183.46 4400,3183.46 4423.46,3160 4430,3160 4440,3170 4440,3200 4450,3210 4470,3210 4480,3200 4480,3170 4490,3160 4510,3160 4520,3170 4520,3200 4530,3210 4550,3210 4560,3200 4560,3170 4570,3160 4590,3160 4600,3170 4600,3200 4610,3210 4630,3210 4640,3200 4640,3170 4650,3160 4670,3160 4680,3170 4680,3200 4690,3210 4710,3210 4720,3200 4720,3170 4730,3160 4750,3160 4760,3170 4760,3250 4770,3260 4790,3260 4800,3250 4800,3170 4810,3160 4890,3160 4910,3180 4910,3300 J9.5@4960,3350
CTRL_GB_C_P: J7.177 J9.4 | length 1269
  Component Side w8: J7.177@4334.33,3207.09 4407.09,3207.09 4430,3230 4730,3230 4740,3240 4740,3250 4730,3260 4580,3260 4570,3270 4570,3280 4580,3290 4730,3290 4740,3300 4740,3310 4730,3320 4600,3320 4590,3330 4590,3340 4600,3350 4810,3350 J9.4@4860,3300
CTRL_GB_D_N: J7.181 J9.8 | length 1305.4
  Component Side w8: J7.181@4334.33,3112.6 4567.4,3112.6 4610,3070 5000,3070 5060,3130 5060,3410 4970,3500 J9.8@4860,3500 J9.8@4840,3500
CTRL_GB_D_P: J7.180 J9.7 | length 1331.1
  Component Side w8: J7.180@4334.33,3136.22 4613.78,3136.22 4620,3130 4620,3100 4630,3090 4650,3090 4660,3100 4660,3126.22 4670,3136.22 4693.78,3136.22 4700,3130 4700,3100 4710,3090 4730,3090 4740,3100 4740,3126.22 4750,3136.22 4773.78,3136.22 4780,3130 4780,3100 4790,3090 4810,3090 4820,3100 4820,3130 4830,3140 4850,3140 4860,3130 4860,3100 4870,3090 4970,3090 5030,3150 5030,3390 4970,3450 J9.7@4960,3450 J9.7@4940,3450
CTRL_JMST_TCK: J7.231 P4.8 | length 999.6
  Component Side w8: J7.231@4334.33,1813.39 v1(4430,1813.39)
  Solder Side w8: P4.8@3660,1490 3983.39,1813.39 v1(4430,1813.39)
CTRL_JMST_TDI: J7.232 P4.4 | length 1151.3
  Component Side w8: J7.232@4334.33,1789.76 v1(4390,1789.76)
  Solder Side w8: P4.4@3460,1490 3470,1480 3490,1480 3530,1440 3700,1440 4049.76,1789.76 v1(4390,1789.76)
CTRL_JMST_TDO: J7.109 P4.6 | length 821.7
  Component Side w8: v1(3920,1840) 4140,1840 4166.61,1813.39 J7.109@4225.67,1813.39
  Solder Side w8: P4.6@3560,1490 3570,1490 v1(3920,1840)
CTRL_JMST_TMS: J7.110 P4.2 | length 1053.5
  Component Side w8: v1(3770,1810) 4120,1810 4140.24,1789.76 J7.110@4225.67,1789.76
  Solder Side w8: P4.2@3360,1490 3440,1570 3610,1570 3770,1730 v1(3770,1810)
CTRL_JTAG_TCK: J7.234 J8.6 P5.4 | length 2217.1
  Component Side w8: P5.4@3560,1860 3677.48,1742.52 v1(4110,1742.52) ; J7.234@4334.33,1742.52 v1(4430,1742.52) 4550,1622.52 4550,591.26 J8.6@4551.26,590
  Solder Side w8: v1(4110,1742.52) v1(4430,1742.52)
CTRL_JTAG_TDI: J7.235 J8.10 P5.8 | length 2207.8
  Component Side w8: P5.8@3560,1660 3590,1690 v1(4110,1690) ; J7.235@4334.33,1718.9 v1(4390,1718.9) ; J8.10@4708.74,590 4710,591.26 v1(4710,680)
  Solder Side w8: v1(4110,1690) 4138.9,1718.9 v1(4390,1718.9) 4451.1,1718.9 4620,1550 4620,770 v1(4710,680)
CTRL_JTAG_TDO: J7.112 J8.8 P5.2 | length 2368.6
  Component Side w8: P5.2@3560,1960 3570,1960 3760,1770 v5(4080,1770) 4120,1770 4147.48,1742.52 J7.112@4225.67,1742.52 ; J8.8@4630,590 v1(4630,680)
  Solder Side w8: v5(4080,1770) 4080,1670 4100,1650 4450,1650 4550,1550 4550,760 v1(4630,680)
CTRL_JTAG_TMS: J7.113 J8.4 P5.6 | length 2174.1
  Component Side w8: P5.6@3560,1760 3601.1,1718.9 v1(4050,1718.9) J7.113@4225.67,1718.9 ; v1(4470,680) 4470,592.52 J8.4@4472.52,590
  Solder Side w8: v1(4050,1718.9) 4050,1660 4090,1620 4410,1620 4470,1560 v1(4470,680)
CTRL_UART_RX: J7.60 R29.2 | length 935
  Component Side w8: v1(4150,3088.98) J7.60@4225.67,3088.98 ; v1(4850,2840) R29.2@4880.47,2840
  Solder Side w8: v1(4150,3088.98) 4318.98,3088.98 4350,3120 4410,3120 4690,2840 v1(4850,2840)
CTRL_UART_TX: J7.57 R27.2 | length 540.1
  Component Side w8: v1(4150,3160) 4150.16,3159.84 J7.57@4225.67,3159.84 ; R27.2@4530,3059.53 v1(4530,3090)
  Solder Side w8: v1(4150,3160) 4310,3160 4340,3190 4430,3190 v1(4530,3090)